# Altium PCB PCB1.PcbDoc (part 2 of 2)
Units mm, origin at the board's own origin, x right, y up, seen from the top; angles counter-clockwise.
Board outline 132 x 80.54 mm, 2 copper layers (Top Layer, Bottom Layer); 174 components, 121 nets, 563 pads, 586 vias.
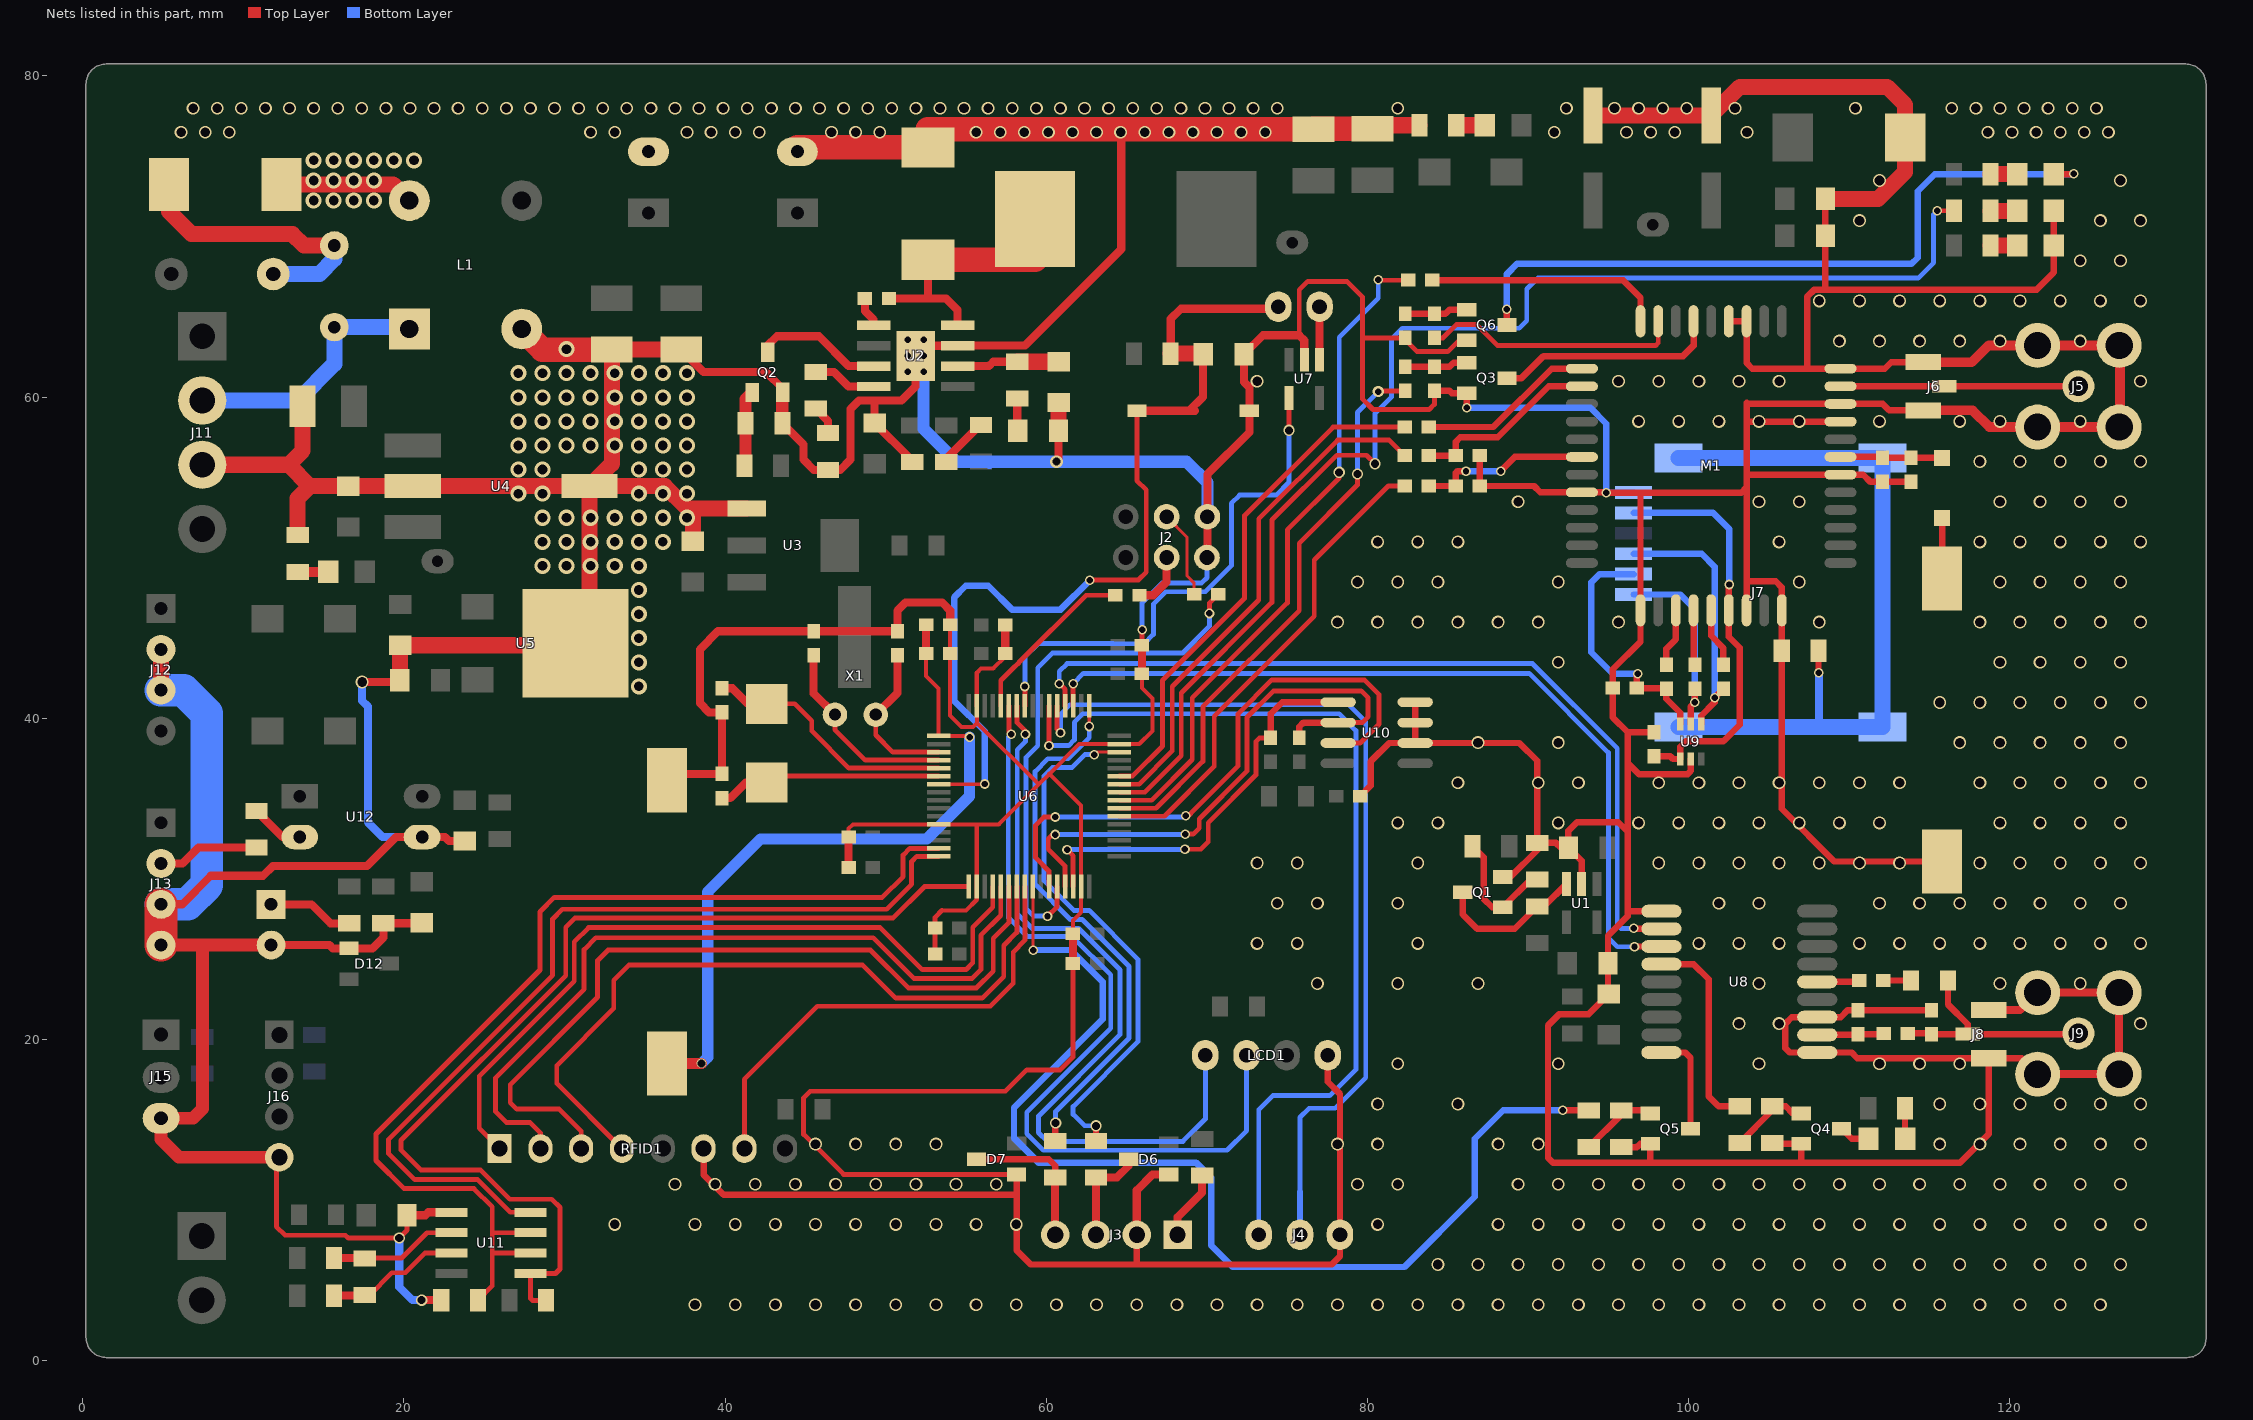
[diagram p2: the nets of this part, all layers, seen from the top]

## Via types
v1: diameter 0.8, hole 0.6, Top Layer to Bottom Layer, 413 vias
v2: diameter 1, hole 0.6, Top Layer to Bottom Layer, 80 vias
v3: diameter 0.6, hole 0.4, Top Layer to Bottom Layer, 53 vias
v4: diameter 0.7, hole 0.5, Top Layer to Bottom Layer, 21 vias
v5: diameter 4, hole 3, Top Layer to Bottom Layer, 8 vias
v6: diameter 0.6, hole 0.5, Top Layer to Bottom Layer, 3 vias
v7: diameter 0.7, hole 0.4, Top Layer to Bottom Layer, 2 vias
v8: diameter 1.3, hole 1.3, Top Layer to Bottom Layer, 2 vias
v9: diameter 1.5, hole 1.5, Top Layer to Bottom Layer, 2 vias
v10: diameter 0.8, hole 0.5, Top Layer to Bottom Layer, 2 vias

## Nets (pads, with @x,y where several pads share a name; then routed paths per layer and width w, separated by ;. In a path a pad name is that pad's centre, name@x,y a point inside that pad or via, vN(x,y) a via of type N, cw(c..) or ccw(c..) an arc to the next point about the centre after c; other vN are vias at no path point) (continued)
GND: BT1.2 BT2.2 C1.2 C2.2 C5.1 C6.1 C7.1 C8.1 C9.1 C10.1 C11.1 C12.1 C13.1 C14.1 C15.1 C16.1 C17.1 C18.1 C19.1 C20.1 C21.1 C22.1 C23.1 C24.1 C25.1 C26.1 C27.1 C28.1 C29.2 C30.2 C31.1 C32.1 C33.2 C34.2 C35.2 C36.2 C37.2 C38.2 C39.2 C40.2 C41.1 C42.2 C43.2 C44.1 C45.1 C46.1 C47.1 C48.1 C49.1 C50.2 C51.1 D3.1 D6.1 D7.1 D12.1 J2.3 J2.6 J3.2 J4.3 J5.2 J6.2 J7.1 J8.2 J9.2 J11.3 J12.2 J12.3 J13.3 J13.4 J14.2 J15.3 J16.4 L1.2 LCD1.1 LED1.2 LED2.2 M1.8 M1.13 M1.19 M1.21 M1.27 M1.30 M1.31 M1.33 M1.36 M1.37 Q1.1 Q2.1 Q3.1 Q4.1 Q5.1 Q6.1 R7.1 R8.1 R9.1 R11.1 R12.1 R13.1 R24.1 R26.1 R30.1 R33.1 R34.1 R35.2 R43.1 R50.1 R55.1 RFID1.6 S1.2 U1.2 U2.7 U2.9 U3.1 U4.2 U4.4 U5.2 U6.12 U6.18 U6.31 U6.47 U6.63 U7.2 U8.1 U8.10 U8.12 U9.2 U10.2 U10.3 U10.4 U11.5 U12.3 | length 981.4
  Top Layer w0.254: C19.1@47.688,32.614 47.688,33.134 47.958,33.404 U6.12@53.291,33.404 55.677,33.404 ; 53.505,28.042 55.001,28.042 55.667,28.707 U6.18@55.667,29.527 55.667,33.394 55.677,33.404 ; C32.1@54.014,45.83 C31.1@54.014,44.044 54.014,40.187 54.729,39.472 55.423,39.472 55.677,39.726 ; C25.1@57.443,44.044 57.443,43.854 56.693,43.104 55.931,43.104 55.667,42.84 U6.63@55.667,40.78 55.677,40.77 55.677,39.726 ; C21.1@61.658,26.589 61.658,27.419 62.167,27.928 U6.31@62.167,29.527 62.167,34.567 60.183,36.551 ; C23.1@65.952,42.78 65.952,41.882 66.599,41.235 66.599,39.218 65.785,38.404 U6.47@64.543,38.404 62.036,38.404 60.183,36.551 ; 55.677,33.404 57.036,33.404 59.517,35.885 59.499,35.904 ; 55.677,39.726 59.499,35.904 ; 59.499,35.904 59.536,35.904 60.183,36.551
  Top Layer w0.3: J16.4@12.243,12.675 12.065,12.497 12.065,8.357 12.598,7.823 16.358,7.823 16.535,7.645 v4(19.71,7.645) 20.193,8.128 C49.1@20.193,9.068 ; C28.1@53.073,25.324 C27.1@53.073,26.944 53.073,27.609 53.505,28.042 ; D7.1@58.146,11.603 47.376,11.603 44.882,14.097 44.882,16.383 45.288,16.789 57.455,16.789 58.776,18.11 60.858,18.11 61.658,18.91 C22.1@61.658,24.74 ; C24.1@65.952,44.558 65.952,45.505 v3(65.964,45.517) ; 75.743,63.856 75.743,66.675 76.276,67.208 78.715,67.208 79.68,66.243 79.68,63.691 ; R24.1@84.16,60.389 84.16,59.547 83.845,59.233 80.34,59.233 79.68,59.893 79.68,63.691 ; Q6.1@86.182,63.551 85.707,63.551 84.996,62.84 83.083,62.84 82.347,63.576 R43.1@82.347,63.691 79.68,63.691
  Top Layer w0.4: RFID1.6@38.659,13.208 38.659,11.582 39.903,10.338 58.146,10.338 ; D7.1@58.146,11.603 58.146,10.338 ; J3.2@65.634,7.849 65.634,5.994 ; LCD1.1@77.521,19.025 77.521,17.374 78.283,16.612 J4.3@78.283,7.849 78.283,6.516 77.761,5.994 65.634,5.994 ; C48.1@79.541,35.156 80.188,35.803 80.188,37.313 81.344,38.469 U10.2@82.969,38.469 ; U10.4@82.969,41.009 U10.3@82.969,39.739 U10.2@82.969,38.469 ; R24.1@84.16,60.389 85.103,60.389 85.242,60.249 Q3.1@86.182,60.249 v3(86.182,59.334) ; R30.1@86.982,56.363 R26.1@86.982,54.47 90.366,54.47 90.759,54.078 M1.8@93.347,54.078 94.843,54.078 v3(94.869,54.051) 97.028,54.051 ; Q1.1@88.417,30.124 88.89,30.124 90.557,31.791 R9.1@90.557,32.244 ; U1.2@93.335,29.693 93.335,31.125 C8.1@92.507,31.953 ; R34.1@95.809,13.31 96.774,13.31 96.977,13.513 Q5.1@97.612,13.513 97.612,12.37 97.663,12.319 ; C43.2@97.841,39.129 96.202,39.129 ; U8.1@98.301,27.997 96.196,27.997 ; U9.2@100.127,37.47 100.127,36.728 99.924,36.525 96.901,36.525 96.202,37.224 ; M1.37@102.497,64.728 M1.36@103.597,64.728 103.597,62.138 103.957,61.778 107.366,61.778 ; M1.19@103.597,46.728 103.597,48.539 ; R33.1@105.207,13.564 105.258,13.513 Q4.1@107.01,13.513 107.01,12.319 ; C39.2@108.509,72.339 C40.2@108.509,70.053 108.509,66.7 ; M1.30@109.447,58.478 103.654,58.478 103.597,58.42 ; C47.1@113.843,54.724 C46.1@112.065,54.724 111.316,54.724 110.862,55.178 M1.27@109.447,55.178 103.597,55.178 ; J6.2@114.605,59.181 112.473,59.181 112.076,59.578 M1.31@109.447,59.578 103.658,59.578 103.597,59.639 103.597,58.42 ; J6.2@114.605,62.181 112.6,62.181 112.197,61.778 M1.33@109.447,61.778 107.366,61.778 ; C44.1@115.113,21.839 C45.1@110.541,21.839 109.901,21.839 109.458,21.397 U8.12@108.001,21.397 106.41,21.397 106.02,21.006 106.02,19.456 106.279,19.197 U8.10@108.001,19.197 110.14,19.197 110.498,18.839 J8.2@118.669,18.839 ; BT2.2@115.773,31.09 109.068,31.09 105.791,34.366 R35.2@105.791,44.221 105.797,44.227 M1.21@105.797,46.728 105.797,48.153 105.41,48.539 103.597,48.539 ; J9.2@121.717,17.849 120.727,18.839 J8.2@118.669,18.839 ; LED2.2@122.733,71.603 LED1.2@122.733,69.444 122.733,67.767 121.666,66.7 108.509,66.7 ; 58.146,10.338 58.146,6.878 59.03,5.994 65.634,5.994 ; U10.2@82.969,38.469 89.446,38.469 90.557,37.358 R9.1@90.557,32.244 ; R9.1@90.557,32.244 91.734,32.244 92.024,31.953 C8.1@92.507,31.953 ; C8.1@92.507,31.953 92.507,32.995 93.04,33.528 95.606,33.528 96.196,32.938 ; 96.196,27.997 96.196,32.938 ; 96.196,27.997 96.196,27.692 94.971,26.467 C7.1@94.971,24.765 94.971,22.885 C41.1@95.021,22.835 93.777,21.59 91.948,21.59 91.237,20.879 91.237,12.649 91.567,12.319 97.663,12.319 ; 96.196,32.938 96.202,32.944 96.202,37.224 ; 96.202,37.224 96.202,39.129 ; 96.202,39.129 95.272,40.059 C42.2@95.272,41.885 95.272,43.049 96.997,44.774 M1.13@96.997,46.728 96.997,54.02 97.028,54.051 ; 97.028,54.051 103.277,54.051 103.597,54.371 ; 97.663,12.319 107.01,12.319 ; 103.597,48.539 103.597,54.371 ; 103.597,54.371 103.597,55.178 ; 103.597,55.178 103.597,58.42 ; 107.01,12.319 116.865,12.319 118.669,14.122 J8.2@118.669,18.839 ; 107.366,61.778 107.366,66.243 107.823,66.7 108.509,66.7
  Top Layer w0.5: v4(21.107,3.772) R50.1@22.327,3.772 ; J8.2@118.669,21.839 120.627,21.839 J9.2@121.717,22.929 J9.2@126.797,22.929 J9.2@126.797,17.849 J9.2@121.717,17.849
  Top Layer w0.508: J13.3@4.877,28.423 6.198,28.423 7.976,30.201 11.227,30.201 11.836,30.81 17.704,30.81 19.507,32.614 U12.3@21.133,32.614 22.555,32.614 22.809,32.36 C50.2@23.8,32.36 ; J14.2@11.735,25.883 15.367,25.883 15.57,25.679 D12.1@16.586,25.679 18.034,25.679 18.72,26.365 R55.1@18.72,27.243 21.071,27.243 C51.1@21.107,27.28 ; v1(17.399,42.266) 19.628,42.266 C16.1@19.736,42.373 ; C49.1@20.193,9.068 21.336,9.068 21.514,9.246 U11.5@22.962,9.246 ; BT1.2@36.373,36.144 36.767,36.539 C30.2@39.802,36.539 C29.2@39.802,40.373 39.002,40.373 38.43,40.945 38.43,44.298 39.561,45.429 C34.2@45.517,45.429 C33.2@50.724,45.429 50.724,46.705 51.238,47.219 53.518,47.219 54.014,46.723 C32.1@54.014,45.83 ; C9.1@37.262,62.967 38.659,61.57 42.543,61.57 43.586,60.527 Q2.1@43.586,60.3 ; R11.1@43.561,58.369 44.882,57.048 44.882,56.109 45.517,55.474 R8.1@46.406,55.474 47.168,55.474 47.803,56.109 47.803,59.258 48.336,59.792 49.454,59.792 ; C20.1@47.688,30.709 C19.1@47.688,32.614 ; R7.1@51.663,55.956 51.562,55.855 51.562,56.134 C18.1@49.301,58.395 49.301,59.639 49.454,59.792 ; C25.1@57.443,44.044 C26.1@57.443,45.822 ; v10(60.63,55.982) 60.757,56.109 C12.1@60.757,57.912 ; C22.1@61.658,24.74 C21.1@61.658,26.589 ; v1@64.668,76.683 64.668,69.215 58.674,63.221 54.491,63.221 U2.7@54.475,63.205 52.494,63.205 U2.9@51.859,62.57 51.859,60.673 50.978,59.792 49.454,59.792 ; J3.2@65.634,7.849 65.634,10.617 66.619,11.603 D6.1@67.62,11.603 ; C23.1@65.952,42.78 C24.1@65.952,44.558 ; J2.3@70.002,50.013 70.028,50.038 J2.6@70.028,52.553 70.028,55.205 72.639,57.816 S1.2@72.639,59.157 72.639,60.61 72.314,60.935 C35.2@72.314,62.687 73.482,63.856 75.743,63.856 76.063,63.536 U7.2@76.063,62.332
  Top Layer w0.6: J6.2@114.605,59.181 117.68,59.181 118.72,58.141 J5.2@121.717,58.141 J5.2@126.797,58.141 126.848,58.09 126.848,63.17 J5.2@126.797,63.221 J5.2@121.717,63.221 118.669,63.221 117.629,62.181 J6.2@114.605,62.181
  Top Layer w0.762: R11.1@43.561,58.369 43.561,60.274 Q2.1@43.586,60.3
  Top Layer w0.8: J13.4@4.877,25.883 7.468,25.883 ; J14.2@11.735,25.883 7.468,25.883 ; J16.4@12.243,12.675 5.994,12.675 4.877,13.792 J15.3@4.877,15.1 6.871,15.1 7.468,15.697 7.468,25.883
  Top Layer w1: J12.3@4.877,41.758 J12.2@4.877,44.298 ; J11.3@7.442,55.792 12.815,55.792 ; R12.1@13.386,51.74 13.386,53.695 14.149,54.458 ; C13.1@13.691,59.436 13.691,56.667 12.815,55.792 ; C16.1@19.736,42.373 19.761,42.399 C15.1@19.761,44.552 30.68,44.552 U5.2@30.68,44.679 31.547,45.546 U4.4@31.547,54.458 ; C9.1@37.262,62.967 C10.1@32.944,62.967 32.944,55.855 U4.4@31.547,54.458 ; C17.1@37.998,51.029 37.998,52.705 37.629,53.075 ; U3.1@41.347,53.075 37.629,53.075 ; C36.2@94.031,77.543 C37.2@101.397,77.543 103.178,79.324 112.344,79.324 113.477,78.192 C38.2@113.477,76.175 113.477,74.031 111.785,72.339 C39.2@108.509,72.339 ; 12.815,55.792 14.149,54.458 ; 14.149,54.458 C14.1@16.535,54.458 U4.2@20.547,54.458 U4.4@31.547,54.458 ; U4.4@31.547,54.458 36.246,54.458 37.629,53.075
  Top Layer w1.016: C12.1@60.757,57.912 60.757,59.639 C11.1@60.782,59.665 ; C5.1@80.315,76.708 80.315,76.937 R13.1@83.236,76.937
  Top Layer w1.524: L1.2@27.341,64.243 28.617,62.967 C10.1@32.944,62.967 ; C2.2@44.501,75.286 44.501,75.547 D3.1@52.629,75.547 52.629,76.683 64.668,76.683 C6.1@76.632,76.683 76.632,76.708 C5.1@80.315,76.708
  Top Layer w2.032: J13.4@4.877,25.883 J13.3@4.877,28.423
  Bottom Layer w0.3: v3(65.964,45.517) 65.964,47.193 67.208,48.438 69.672,48.438 70.002,48.768 J2.3@70.002,50.013
  Bottom Layer w0.4: v3(86.182,59.334) 93.878,59.334 94.869,58.344 v3(94.869,54.051) 96.557,54.051 J7.1@96.571,54.065
  Bottom Layer w0.5: v4(19.71,7.645) 19.71,4.597 20.535,3.772 v4(21.107,3.772)
  Bottom Layer w0.508: 7.722,30.937 7.874,30.785 ; v1(17.399,42.266) 17.399,41.097 17.755,40.742 17.755,33.528 18.669,32.614 U12.3@21.133,32.614
  Bottom Layer w0.7: 56.363,55.982 56.464,55.88
  Bottom Layer w0.762: U2.9@52.359,61.57 52.359,58.03 54.407,55.982 56.363,55.982 v10(60.63,55.982) 68.732,55.982 70.028,54.686 J2.6@70.028,52.553
  Bottom Layer w2.032: J13.3@4.877,28.423 6.528,28.423 7.722,29.616 7.722,30.937 7.722,40.31 6.274,41.758 J12.3@4.877,41.758
  other v1: 38.127,3.493 40.627,3.493 43.127,3.493 45.627,3.493 48.127,3.493 50.627,3.493 53.127,3.493 55.627,3.493 58.127,3.493 60.627,3.493 63.127,3.493 65.627,3.493 68.127,3.493 70.627,3.493 73.127,3.493 75.627,3.493 78.127,3.493 80.627,3.493 83.127,3.493 85.627,3.493 88.127,3.493 90.627,3.493 93.127,3.493 95.627,3.493 98.127,3.493 100.627,3.493 103.127,3.493 105.627,3.493 108.127,3.493 110.627,3.493 113.127,3.493 115.627,3.493 118.127,3.493 120.627,3.493 123.127,3.493 125.627,3.493 84.377,5.993 86.877,5.993 89.377,5.993 91.877,5.993 94.377,5.993 96.877,5.993 99.377,5.993 101.877,5.993 104.377,5.993 106.877,5.993 109.377,5.993 111.877,5.993 114.377,5.993 116.877,5.993 119.377,5.993 121.877,5.993 124.377,5.993 126.877,5.993 33.127,8.493 38.127,8.493 40.627,8.493 43.127,8.493 45.627,8.493 48.127,8.493 50.627,8.493 53.127,8.493 55.627,8.493 58.127,8.493 80.627,8.493 88.127,8.493 90.627,8.493 93.127,8.493 95.627,8.493 98.127,8.493 100.627,8.493 103.127,8.493 105.627,8.493 108.127,8.493 110.627,8.493 113.127,8.493 115.627,8.493 118.127,8.493 120.627,8.493 123.127,8.493 125.627,8.493 128.127,8.493 36.877,10.993 39.377,10.993 41.877,10.993 44.377,10.993 46.877,10.993 49.377,10.993 51.877,10.993 54.377,10.993 56.877,10.993 79.377,10.993 81.877,10.993 89.377,10.993 91.877,10.993 94.377,10.993 96.877,10.993 99.377,10.993 101.877,10.993 104.377,10.993 106.877,10.993 109.377,10.993 111.877,10.993 114.377,10.993 116.877,10.993 119.377,10.993 121.877,10.993 124.377,10.993 126.877,10.993 45.627,13.493 48.127,13.493 50.627,13.493 53.127,13.493 78.127,13.493 80.627,13.493 88.127,13.493 90.627,13.493 115.627,13.493 118.127,13.493 120.627,13.493 123.127,13.493 125.627,13.493 128.127,13.493 80.627,15.993 85.627,15.993 115.627,15.993 118.127,15.993 120.627,15.993 123.127,15.993 125.627,15.993 128.127,15.993 81.877,18.493 91.877,18.493 104.377,18.493 111.877,18.493 114.377,18.493 116.877,18.493 103.127,20.993 105.627,20.993 128.127,20.993 76.877,23.493 81.877,23.493 86.877,23.493 104.377,23.493 119.377,23.493 124.377,23.493 73.127,25.993 75.627,25.993 83.127,25.993 100.627,25.993 103.127,25.993 105.627,25.993 110.627,25.993 113.127,25.993 115.627,25.993 118.127,25.993 120.627,25.993 123.127,25.993 125.627,25.993 128.127,25.993 74.377,28.493 76.877,28.493 81.877,28.493 101.877,28.493 104.377,28.493 111.877,28.493 114.377,28.493 116.877,28.493 119.377,28.493 121.877,28.493 124.377,28.493 126.877,28.493 73.127,30.993 75.627,30.993 83.127,30.993 98.127,30.993 100.627,30.993 103.127,30.993 105.627,30.993 108.127,30.993 110.627,30.993 113.127,30.993 118.127,30.993 120.627,30.993 123.127,30.993 125.627,30.993 128.127,30.993 81.877,33.493 84.377,33.493 91.877,33.493 96.877,33.493 99.377,33.493 101.877,33.493 104.377,33.493 106.877,33.493 109.377,33.493 111.877,33.493 119.377,33.493 121.877,33.493 124.377,33.493 126.877,33.493 85.627,35.993 90.627,35.993 93.127,35.993 98.127,35.993 100.627,35.993 103.127,35.993 105.627,35.993 108.127,35.993 110.627,35.993 113.127,35.993 118.127,35.993 120.627,35.993 123.127,35.993 125.627,35.993 128.127,35.993 86.877,38.493 91.877,38.493 116.877,38.493 119.377,38.493 121.877,38.493 124.377,38.493 126.877,38.493 115.627,40.993 118.127,40.993 120.627,40.993 123.127,40.993 125.627,40.993 128.127,40.993 91.877,43.493 119.377,43.493 121.877,43.493 124.377,43.493 126.877,43.493 78.127,45.993 80.627,45.993 83.127,45.993 85.627,45.993 88.127,45.993 90.627,45.993 95.627,45.993 108.127,45.993 118.127,45.993 120.627,45.993 123.127,45.993 125.627,45.993 128.127,45.993 79.377,48.493 81.877,48.493 84.377,48.493 91.877,48.493 106.877,48.493 119.377,48.493 121.877,48.493 124.377,48.493 126.877,48.493 80.627,50.993 83.127,50.993 85.627,50.993 105.627,50.993 118.127,50.993 120.627,50.993 123.127,50.993 125.627,50.993 128.127,50.993 89.377,53.493 104.377,53.493 106.877,53.493 119.377,53.493 121.877,53.493 124.377,53.493 126.877,53.493 118.127,55.993 120.627,55.993 123.127,55.993 125.627,55.993 128.127,55.993 96.877,58.493 99.377,58.493 101.877,58.493 104.377,58.493 106.877,58.493 111.877,58.493 116.877,58.493 119.377,58.493 124.377,58.493 73.127,60.993 95.627,60.993 98.127,60.993 100.627,60.993 103.127,60.993 105.627,60.993 128.127,60.993 109.377,63.493 111.877,63.493 114.377,63.493 116.877,63.493 119.377,63.493 124.377,63.493 108.127,65.993 110.627,65.993 113.127,65.993 115.627,65.993 118.127,65.993 120.627,65.993 123.127,65.993 125.627,65.993 128.127,65.993 124.377,68.493 126.877,68.493 110.627,70.993 125.627,70.993 128.127,70.993 111.877,73.493 126.877,73.493 6.127,76.493 7.627,76.493 9.127,76.493 31.627,76.493 33.127,76.493 37.627,76.493 39.127,76.493 40.627,76.493 42.127,76.493 46.627,76.493 48.127,76.493 49.627,76.493 55.627,76.493 57.127,76.493 58.627,76.493 60.127,76.493 61.627,76.493 63.127,76.493 64.627,76.493 66.127,76.493 67.627,76.493 69.127,76.493 70.627,76.493 72.127,76.493 73.627,76.493 91.627,76.493 96.127,76.493 97.627,76.493 99.127,76.493 103.627,76.493 118.627,76.493 120.127,76.493 121.627,76.493 123.127,76.493 124.627,76.493 126.127,76.493 6.877,77.993 8.377,77.993 9.877,77.993 11.377,77.993 12.877,77.993 14.377,77.993 15.877,77.993 17.377,77.993 18.877,77.993 20.377,77.993 21.877,77.993 23.377,77.993 24.877,77.993 26.377,77.993 27.877,77.993 29.377,77.993 30.877,77.993 32.377,77.993 33.877,77.993 35.377,77.993 36.877,77.993 38.377,77.993 39.877,77.993 41.377,77.993 42.877,77.993 44.377,77.993 45.877,77.993 47.377,77.993 48.877,77.993 50.377,77.993 51.877,77.993 53.377,77.993 54.877,77.993 56.377,77.993 57.877,77.993 59.377,77.993 60.877,77.993 62.377,77.993 63.877,77.993 65.377,77.993 66.877,77.993 68.377,77.993 69.877,77.993 71.377,77.993 72.877,77.993 74.377,77.993 81.877,77.993 92.377,77.993 95.377,77.993 96.877,77.993 98.377,77.993 99.877,77.993 102.877,77.993 110.377,77.993 116.377,77.993 117.877,77.993 119.377,77.993 120.877,77.993 122.377,77.993 123.877,77.993 125.377,77.993
  other v2: 34.627,41.993 34.627,43.493 34.627,44.993 34.627,46.493 34.627,47.993 28.627,49.493 30.127,49.493 31.627,49.493 33.127,49.493 34.627,49.493 28.627,50.993 30.127,50.993 31.627,50.993 33.127,50.993 34.627,50.993 36.127,50.993 28.627,52.493 30.127,52.493 31.627,52.493 33.127,52.493 34.627,52.493 36.127,52.493 37.627,52.493 27.127,53.993 28.627,53.993 34.627,53.993 36.127,53.993 37.627,53.993 27.127,55.493 28.627,55.493 34.627,55.493 36.127,55.493 37.627,55.493 27.127,56.993 28.627,56.993 30.127,56.993 31.627,56.993 33.127,56.993 34.627,56.993 36.127,56.993 37.627,56.993 27.127,58.493 28.627,58.493 30.127,58.493 31.627,58.493 33.127,58.493 34.627,58.493 36.127,58.493 37.627,58.493 27.127,59.993 28.627,59.993 30.127,59.993 31.627,59.993 33.127,59.993 34.627,59.993 36.127,59.993 37.627,59.993 27.127,61.493 28.627,61.493 30.127,61.493 31.627,61.493 33.127,61.493 34.627,61.493 36.127,61.493 37.627,61.493 30.127,62.993
GND_INPUT: C3.1 J11.2 L1.1 | length 16.2
  Bottom Layer w1: J11.2@7.442,59.792 13.386,59.792 15.672,62.078 C3.1@15.672,64.364 20.22,64.364 L1.1@20.341,64.243
GPS_RESET: Q5.2 U8.9 | length 6.4
  Top Layer w0.4: U8.9@98.301,19.197 99.777,19.197 100.107,18.867 Q5.2@100.107,14.453
GPS_RF: C44.2 J8.1 J9.1 L3.1 R39.1 | length 14.5
  Top Layer w0.4: R39.1@113.627,20.389 115.063,20.389 C44.2@115.113,20.339 J8.1@117.369,20.339 ; L3.1@116.143,23.681 116.143,22.186 117.369,20.96 J8.1@117.369,20.339 ; J9.1@124.257,20.389 124.207,20.339 J8.1@117.369,20.339
GPS_RST: R32.1 U6.25 | length 68.9
  Top Layer w0.2: U6.25@59.167,29.527 59.167,25.568 v3(59.182,25.552)
  Top Layer w0.4: v3(92.151,15.596) R32.1@93.777,15.596
  Bottom Layer w0.4: v3(59.182,25.552) 59.207,25.578 61.519,25.578 63.5,23.597 63.5,21.26 57.988,15.748 57.988,13.868 59.512,12.344 69.317,12.344 70.256,11.405 70.256,7.188 71.603,5.842 82.296,5.842 86.665,10.211 86.665,13.818 88.443,15.596 v3(92.151,15.596)
GPS_RXD: U6.52 U8.2 | length 53.3
  Top Layer w0.3: v3(60.808,42.164) 61.167,41.805 U6.52@61.167,40.78 ; v3(96.571,26.924) v3@96.598,26.897
  Top Layer w0.4: v3@96.598,26.897 U8.2@98.301,26.897
  Bottom Layer w0.3: v3(60.808,42.164) 60.808,42.926 61.29,43.409 90.272,43.409 95.55,38.13 95.55,27.157 95.783,26.924 v3(96.571,26.924)
GPS_TIMEPULSE: R31.1 U8.4 | length 12.8
  Top Layer w0.4: U8.4@98.301,24.697 100.297,24.697 101.244,23.749 101.244,16.459 101.854,15.85 R31.1@103.175,15.85
GPS_TXD: U6.51 U8.3 | length 52.1
  Top Layer w0.3: U6.51@61.667,40.78 v3(61.667,42.16)
  Top Layer w0.4: v3(96.622,25.781) 96.637,25.797 U8.3@98.301,25.797
  Bottom Layer w0.3: v3(61.667,42.16) 62.306,42.799 90.068,42.799 94.996,37.871 94.996,26.34 95.555,25.781 v3(96.622,25.781)
GSM_DIR: R25.1 U6.38 | length 30.2
  Top Layer w0.3: U6.38@64.543,33.904 67.355,33.904 70.46,37.008 70.46,40.132 76.683,46.355 76.683,49.86 81.293,54.47 R25.1@82.309,54.47
GSM_LED_STATUS: LED3.2 Q6.2 | length 44.7
  Top Layer w0.4: Q6.2@88.677,64.491 v3(88.677,65.481) ; LED3.2@122.733,73.889 123.952,73.889 v3(123.977,73.914)
  Bottom Layer w0.4: v3(88.677,65.481) 88.677,67.671 89.306,68.301 113.868,68.301 114.249,68.682 114.249,72.822 115.316,73.889 123.952,73.889 v3(123.977,73.914)